# Altium PCB PCB.PcbDoc (part 1 of 2)
Units mil, origin at the board's own origin, x right, y up, seen from the top; angles counter-clockwise.
Board outline 4409.45 x 6259.84 mil, 2 copper layers (Top Layer, Bottom Layer), stack 65.792 mil thick; 158 components, 111 nets, 528 pads, 234 vias.
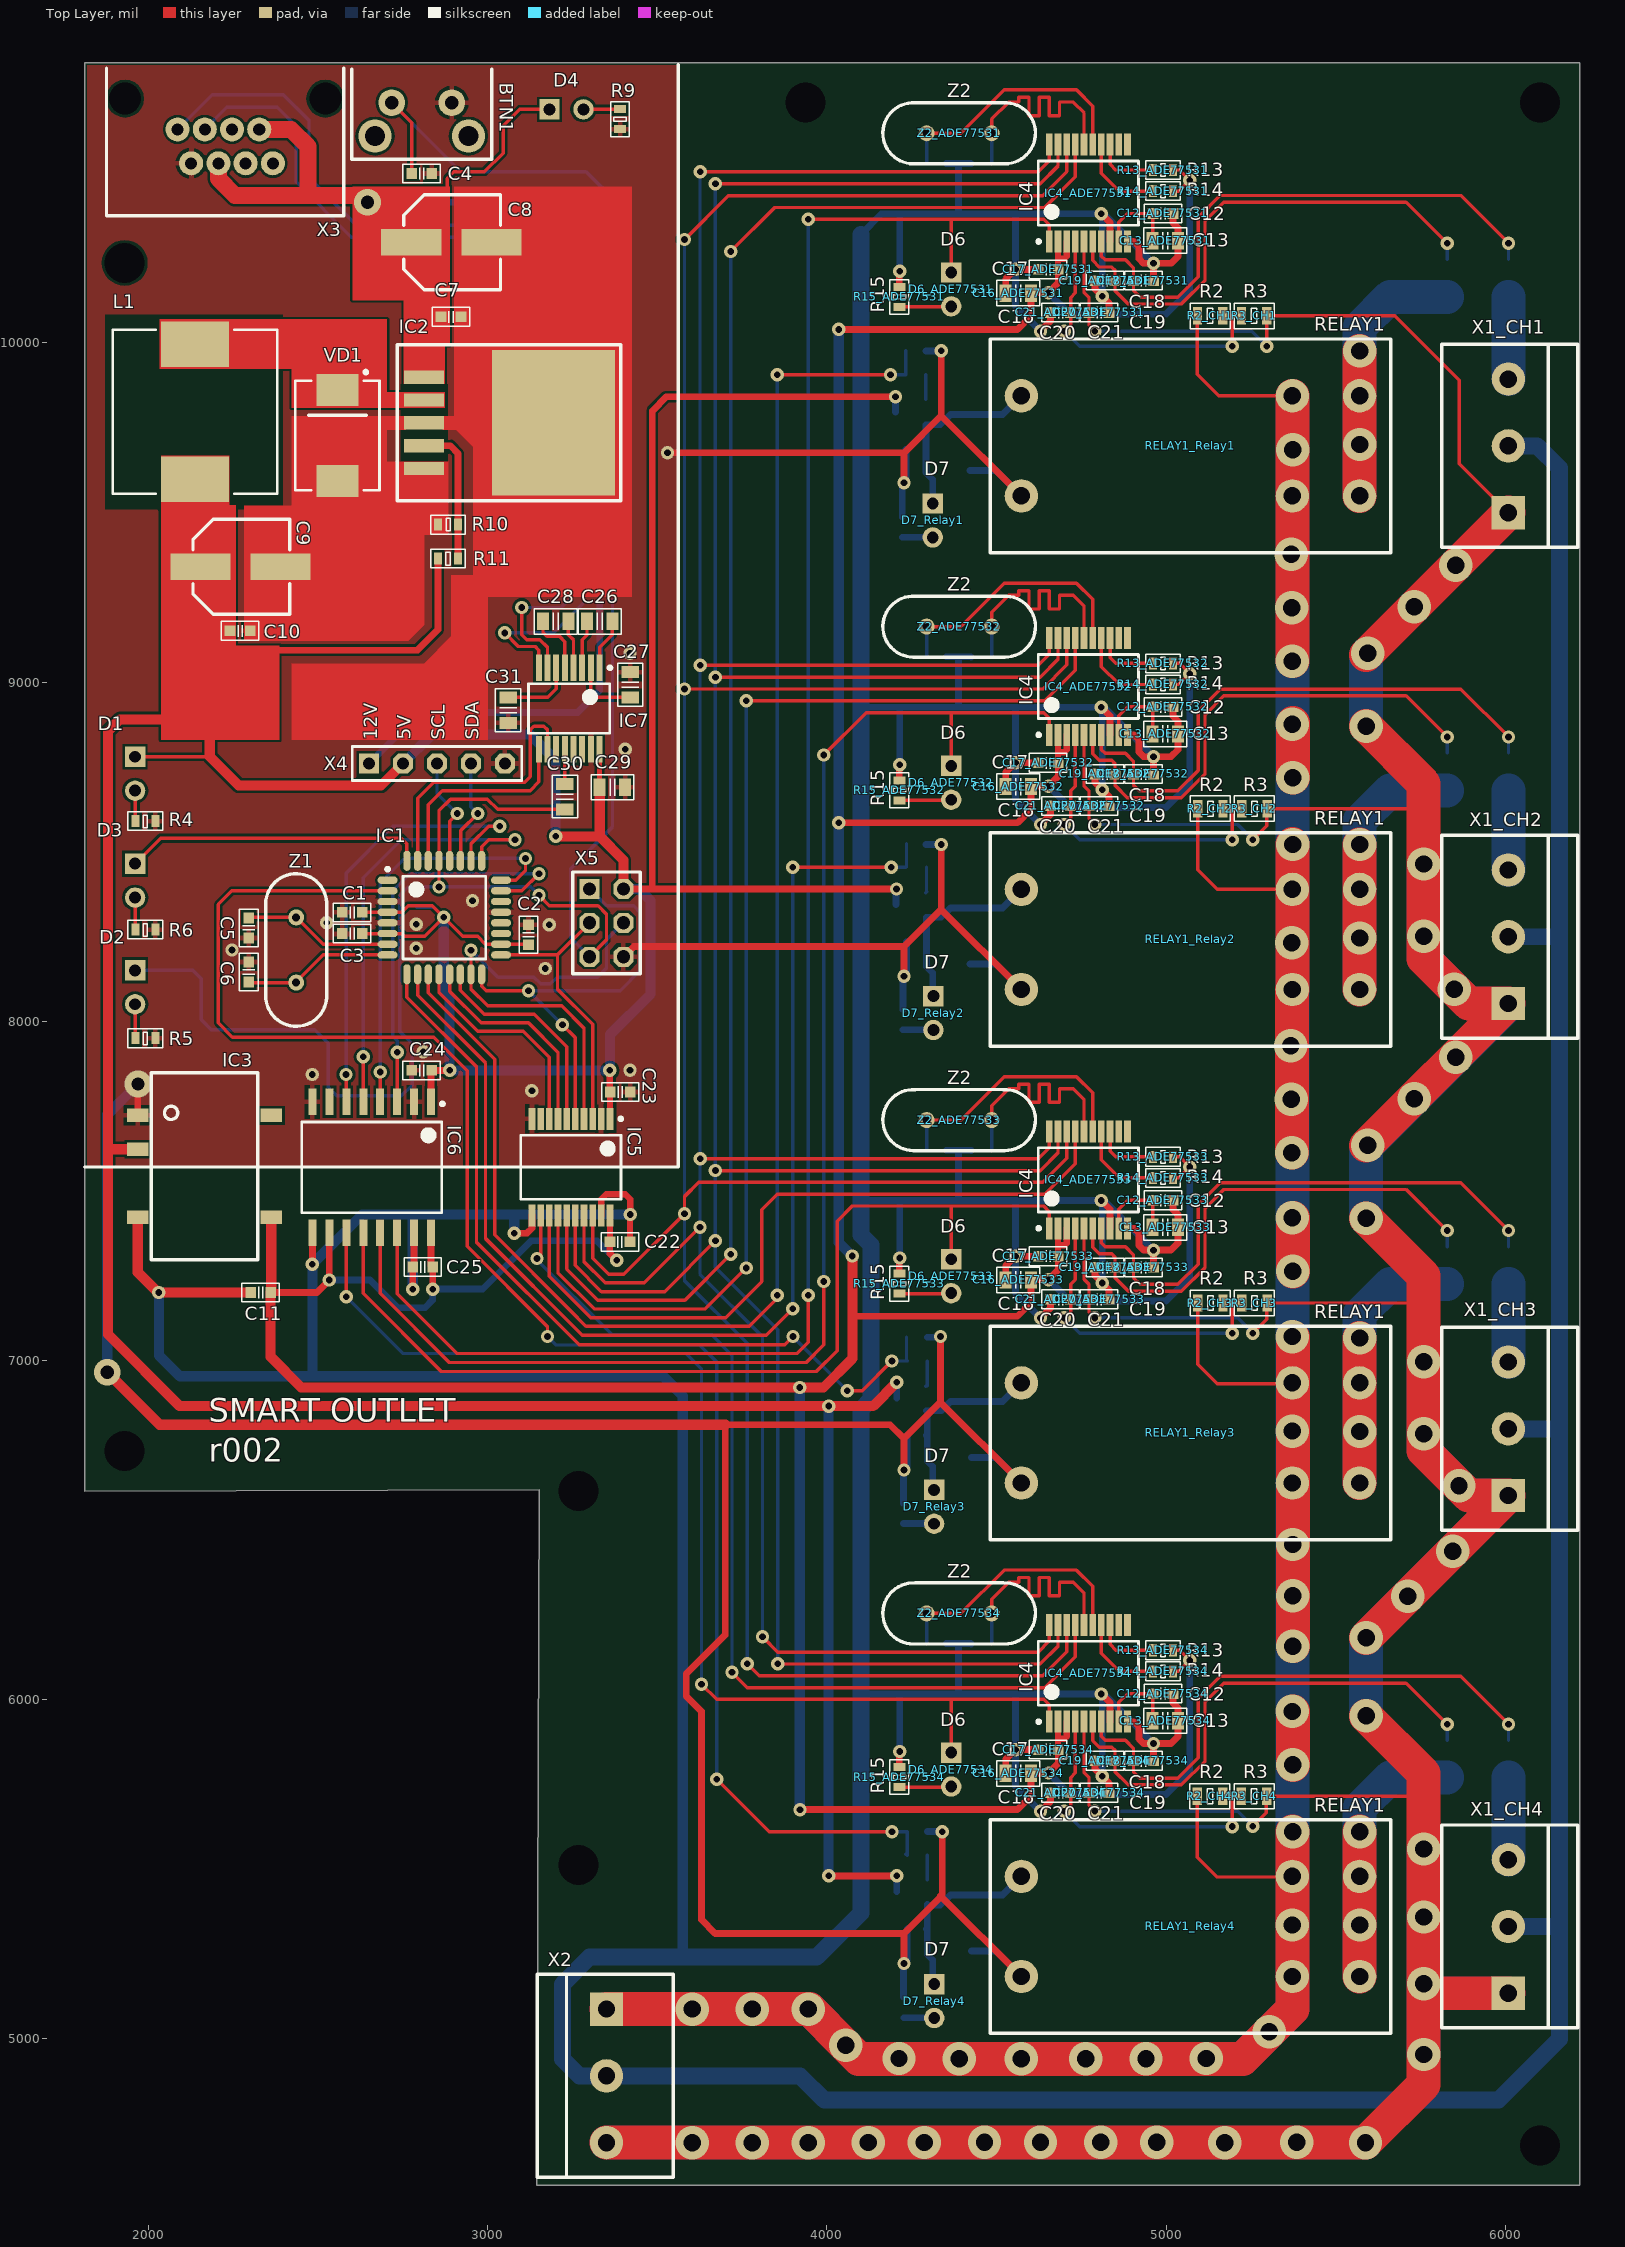
[diagram p0: Top Layer view]
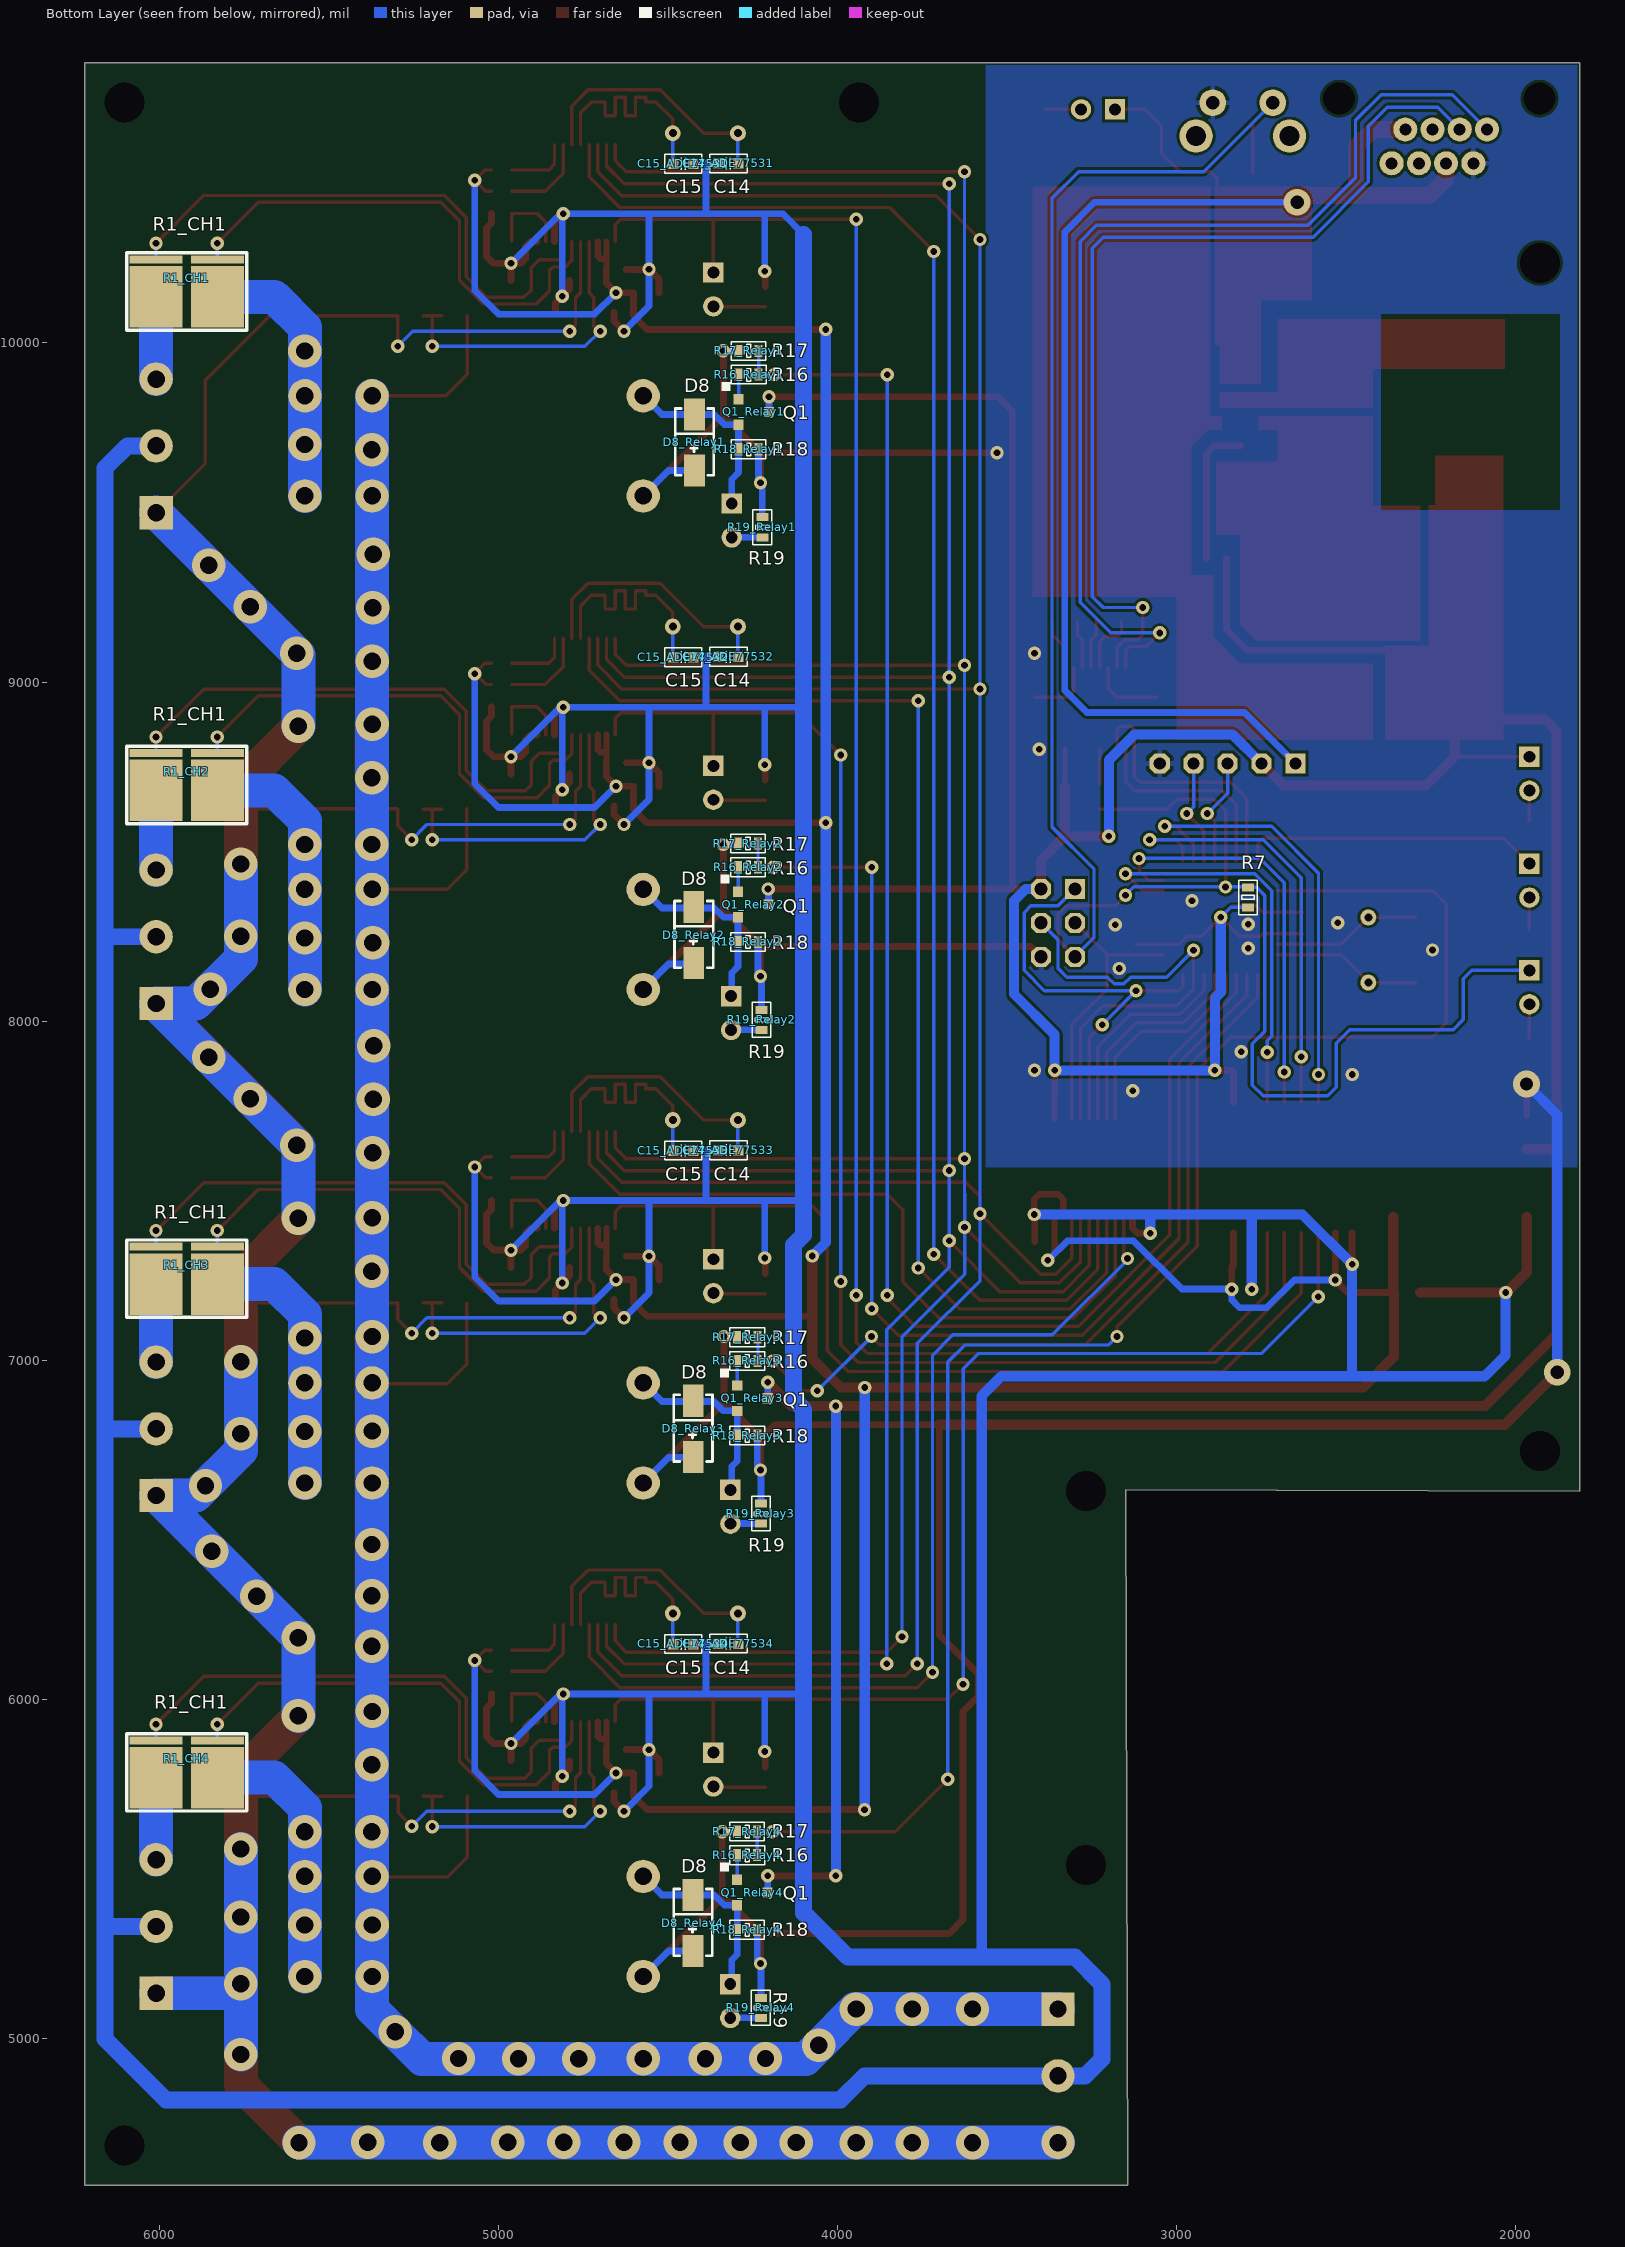
[diagram p1: Bottom Layer view, seen from below]

## Layer stack, top to bottom
Top Solder: solder mask 0.4, Solder Resist, Dk 3.5
Top Layer: signal copper 1.4
Dielectric 1: dielectric 62.9921, FR-4, Dk 4.8
Bottom Layer: signal copper 1.4
Bottom Solder: solder mask 0.4, Solder Resist, Dk 3.5

## Board outline
1811.02,6614.17 3151,6618 3145,4566.93 6220.47,4566.93 6220.47,10826.77 1811.02,10826.77

## Design rules (kind name [scope] priority, off if disabled: settings)
Clearance [All] p1: gap=5 ignorepadtopadclearanceinfootprint=FALSE except(7.87: Arc-Poly Track-Poly SMDPad-Poly THPad-Poly Via-Poly Fill-Poly Poly-Poly Poly-Region Poly-Text Poly-Hole)
HoleSize [All] p1: absolutevalues=TRUE maxlimit=300 minlimit=1 maxpercent=80.000 minpercent=20.000
MinimumSolderMaskSliver [All] p1: minsoldermaskwidth=0
PolygonConnect [All] p1: thpad.connectstyle=Relief thpad.reliefconductorwidth=15 thpad.reliefentries=4 thpad.polygonreliefangle="90 Angle" thpad.airgapwidth=10 smdpad.connectstyle=Relief smdpad.reliefconductorwidth=15 smdpad.reliefentries=4 smdpad.polygonreliefangle="90 Angle" smdpad.airgapwidth=10 via.connectstyle=Direct via.reliefconductorwidth=10 via.reliefentries=4 via.polygonreliefangle="90 Angle" via.airgapwidth=10
RoutingVias [All] p1: holewidth=19.68 width=39.37 viastyle="Through Hole" minholewidth=19.68 minwidth=39.37 maxholewidth=78.74 maxwidth=118.11
SilkToSilkClearance [All] p1: silktosilkclearance=0
SilkToSolderMaskClearance [IsPad] p1: minsilkscreentomaskgap=0 clearancetoexposedcopper=TRUE
SolderMaskExpansion [All] p1: expansion=4
Width [All] p1: maxlimit=100 minlimit=10 preferedwidth=10
26 further rules are at their usual default settings.

## Classes and differential pairs
channel class relay: Relay1 Relay2 Relay3 Relay4 Relay5 Relay6 Relay7 Relay8
channel class chanel: CH1 CH2 CH3 CH4
channel class ADE7753: ADE77531 ADE77532 ADE77533 ADE77534
net class RESET[4..1]: RESET1 RESET2 RESET3 RESET4
net class RES[4..1]: RES1 RES2 RES3 RES4
net class REL[4..1]: REL1 REL2 REL3 REL4
net class CS[4..1]: CS1 CS2 CS3 CS4
component class "RS232 Driver": C26 C27 C28 C29 C30 C31 IC7
component class Relay4: D7_Relay4 D8_Relay4 Q1_Relay4 R16_Relay4 R17_Relay4 R18_Relay4 R19_Relay4 RELAY1_Relay4
component class Relay3: D7_Relay3 D8_Relay3 Q1_Relay3 R16_Relay3 R17_Relay3 R18_Relay3 R19_Relay3 RELAY1_Relay3
component class Relay2: D7_Relay2 D8_Relay2 Q1_Relay2 R16_Relay2 R17_Relay2 R18_Relay2 R19_Relay2 RELAY1_Relay2
component class Relay1: D7_Relay1 D8_Relay1 Q1_Relay1 R16_Relay1 R17_Relay1 R18_Relay1 R19_Relay1 RELAY1_Relay1
component class PROC: BTN1 C1 C2 C3 C4 C5 C6 D1 D2 D3 IC1 R4 R5 R6 R7 X4 X5 Z1
component class powerSupply: C7 C8 C9 C10 C11 D4 IC2 IC3 L1 R9 R10 R11 VD1
component class main: X2 X3
component class ISO7740: C24 C25 IC6
component class CH4: R1_CH4 R2_CH4 R3_CH4 X1_CH4
component class CH3: R1_CH3 R2_CH3 R3_CH3 X1_CH3
component class CH2: R1_CH2 R2_CH2 R3_CH2 X1_CH2
component class CH1: R1_CH1 R2_CH1 R3_CH1 X1_CH1
component class ADUM3154: C22 C23 IC5
component class ADE77534: C12_ADE77534 C13_ADE77534 C14_ADE77534 C15_ADE77534 C16_ADE77534 C17_ADE77534 C18_ADE77534 C19_ADE77534 C20_ADE77534 C21_ADE77534 D6_ADE77534 IC4_ADE77534 R13_ADE77534 R14_ADE77534 R15_ADE77534 Z2_ADE77534
component class ADE77533: C12_ADE77533 C13_ADE77533 C14_ADE77533 C15_ADE77533 C16_ADE77533 C17_ADE77533 C18_ADE77533 C19_ADE77533 C20_ADE77533 C21_ADE77533 D6_ADE77533 IC4_ADE77533 R13_ADE77533 R14_ADE77533 R15_ADE77533 Z2_ADE77533
component class ADE77532: C12_ADE77532 C13_ADE77532 C14_ADE77532 C15_ADE77532 C16_ADE77532 C17_ADE77532 C18_ADE77532 C19_ADE77532 C20_ADE77532 C21_ADE77532 D6_ADE77532 IC4_ADE77532 R13_ADE77532 R14_ADE77532 R15_ADE77532 Z2_ADE77532
component class ADE77531: C12_ADE77531 C13_ADE77531 C14_ADE77531 C15_ADE77531 C16_ADE77531 C17_ADE77531 C18_ADE77531 C19_ADE77531 C20_ADE77531 C21_ADE77531 D6_ADE77531 IC4_ADE77531 R13_ADE77531 R14_ADE77531 R15_ADE77531 Z2_ADE77531

## Components (designator, comment, footprint, x,y, rotation, side; value= is the part's Value field where it differs from the comment)
BTN1 "Push Button" "PUSH BUTTON RIGHT ANGLE" 2805.12,10610.24 r180 top
C1 "100n" C_0603 2600.02,8320.94 r0 top
C2 "100n" C_0603 3120.02,8254.94 r270 top
C3 "100n" C_0603 2600,8258.45 r0 top
C4 "1u" C_0603 2805,10500 r180 top
C5 "22p" C_0603 2295,8275 r270 top
C6 "22p" C_0603 2295,8145 r90 top
C7 "100n" C_0603 2891.52,10077.22 r180 top
C8 "470u" R79 2892.43,10297.22 r90 top
C9 "470u" R79 2270.52,9340.22 r90 top
C10 "100n" C_0603 2269.52,9151.22 r180 top
C11 "100n" C_0603 2330,7200.22 r0 top
C12_ADE77531 "100n" C_0603 4991,10382 r0 top (schematic designator C12)
C12_ADE77532 "100n" C_0603 4991,8927 r0 top (schematic designator C12)
C12_ADE77533 "100n" C_0603 4991,7472 r0 top (schematic designator C12)
C12_ADE77534 "100n" C_0603 4991,6017 r0 top (schematic designator C12)
C13_ADE77531 "10u" C_0805 4998,10302 r0 top (schematic designator C13)
C13_ADE77532 "10u" C_0805 4998,8847 r0 top (schematic designator C13)
C13_ADE77533 "10u" C_0805 4998,7392 r0 top (schematic designator C13)
C13_ADE77534 "10u" C_0805 4998,5937 r0 top (schematic designator C13)
C14_ADE77531 "22p" C_0603 4322.08,10529.61 r180 bottom (schematic designator C14)
C14_ADE77532 "22p" C_0603 4322.08,9074.61 r180 bottom (schematic designator C14)
C14_ADE77533 "22p" C_0603 4322.08,7619.61 r180 bottom (schematic designator C14)
C14_ADE77534 "22p" C_0603 4322.08,6164.61 r180 bottom (schematic designator C14)
C15_ADE77531 "22p" C_0603 4455,10528.53 r0 bottom (schematic designator C15)
C15_ADE77532 "22p" C_0603 4455,9073.53 r0 bottom (schematic designator C15)
C15_ADE77533 "22p" C_0603 4455,7618.53 r0 bottom (schematic designator C15)
C15_ADE77534 "22p" C_0603 4455,6163.53 r0 bottom (schematic designator C15)
C16_ADE77531 "10u" C_0805 4564.47,10147 r0 top (schematic designator C16)
C16_ADE77532 "10u" C_0805 4564.47,8692 r0 top (schematic designator C16)
C16_ADE77533 "10u" C_0805 4564.47,7237 r0 top (schematic designator C16)
C16_ADE77534 "10u" C_0805 4564.47,5782 r0 top (schematic designator C16)
C17_ADE77531 "100n" C_0603 4652.47,10217 r0 top (schematic designator C17)
C17_ADE77532 "100n" C_0603 4652.47,8762 r0 top (schematic designator C17)
C17_ADE77533 "100n" C_0603 4652.47,7307 r0 top (schematic designator C17)
C17_ADE77534 "100n" C_0603 4652.47,5852 r0 top (schematic designator C17)
C18_ADE77531 "33n" C_0603 4933.47,10184 r180 top (schematic designator C18)
C18_ADE77532 "33n" C_0603 4933.47,8729 r180 top (schematic designator C18)
C18_ADE77533 "33n" C_0603 4933.47,7274 r180 top (schematic designator C18)
C18_ADE77534 "33n" C_0603 4933.47,5819 r180 top (schematic designator C18)
C19_ADE77531 "33n" C_0603 4820,10184 r0 top (schematic designator C19)
C19_ADE77532 "33n" C_0603 4820,8729 r0 top (schematic designator C19)
C19_ADE77533 "33n" C_0603 4820,7274 r0 top (schematic designator C19)
C19_ADE77534 "33n" C_0603 4820,5819 r0 top (schematic designator C19)
C20_ADE77531 "33n" C_0603 4802.47,10090 r180 top (schematic designator C20)
C20_ADE77532 "33n" C_0603 4802.47,8635 r180 top (schematic designator C20)
C20_ADE77533 "33n" C_0603 4802.47,7180 r180 top (schematic designator C20)
C20_ADE77534 "33n" C_0603 4802.47,5725 r180 top (schematic designator C20)
C21_ADE77531 "33n" C_0603 4689,10090 r0 top (schematic designator C21)
C21_ADE77532 "33n" C_0603 4689,8635 r0 top (schematic designator C21)
C21_ADE77533 "33n" C_0603 4689,7180 r0 top (schematic designator C21)
C21_ADE77534 "33n" C_0603 4689,5725 r0 top (schematic designator C21)
C22 "100n" C_0603 3389.69,7349.22 r180 top
C23 "100n" C_0603 3390.69,7791.22 r180 top
C24 "100n" C_0603 2805,7855 r0 top
C25 "100n" C_0603 2808,7275 r0 top
C26 "100n" C_0805 3330.05,9179.11 r0 top
C27 "0.47u" C_0805 3420.05,8992.22 r270 top
C28 "0.47u" C_0805 3200.05,9179.11 r0 top
C29 "100n" C_0805 3367.45,8690 r180 top
C30 "100n" C_0805 3227.25,8662.22 r270 top
C31 "0.47u" C_0805 3060,8917 r90 top
D1 "" LED_5mm 1960,8779.8 r270 top
D2 "" LED_5mm 1960,8150 r270 top
D3 "" LED_5mm 1960,8464.53 r270 top
D4 "" LED_5mm 3182.02,10688.98 r0 top
D6_ADE77531 "" LED_5mm 4366.47,10208 r270 top (schematic designator D6)
D6_ADE77532 "" LED_5mm 4366.47,8753 r270 top (schematic designator D6)
D6_ADE77533 "" LED_5mm 4366.47,7298 r270 top (schematic designator D6)
D6_ADE77534 "" LED_5mm 4366.47,5843 r270 top (schematic designator D6)
D7_Relay1 "" LED_5mm 4312.08,9526.64 r270 top (schematic designator D7)
D7_Relay2 "" LED_5mm 4314,8074 r270 top (schematic designator D7)
D7_Relay3 "" LED_5mm 4316.13,6618 r270 top (schematic designator D7)
D7_Relay4 "" LED_5mm 4316.53,5160.47 r270 top (schematic designator D7)
D8_Relay1 "D_DO-214AC" DO-214AC 4422.08,9706.64 r270 bottom (schematic designator D8)
D8_Relay2 "D_DO-214AC" DO-214AC 4424,8254 r270 bottom (schematic designator D8)
D8_Relay3 "D_DO-214AC" DO-214AC 4426.13,6798 r270 bottom (schematic designator D8)
D8_Relay4 "D_DO-214AC" DO-214AC 4426.53,5340.47 r270 bottom (schematic designator D8)
IC1 "ATmega328" TQFP-32 2871.69,8305.69 r0 top
IC2 "AX3161" TO263-5L 3002.43,9764.46 r270 top
IC3 "TES 1-0511" "TES 1-0511" 2164.52,7572.22 r0 top
IC4_ADE77531 "ADE7753" SOP-20 4771,10442 r90 top (schematic designator IC4)
IC4_ADE77532 "ADE7753" SOP-20 4771,8987 r90 top (schematic designator IC4)
IC4_ADE77533 "ADE7753" SOP-20 4771,7532 r90 top (schematic designator IC4)
IC4_ADE77534 "ADE7753" SOP-20 4771,6077 r90 top (schematic designator IC4)
IC5 "ADUM3154" SOP-20 3245.22,7569.22 r270 top
IC6 "ISO7740" SOIC-16 2657.69,7569.13 r270 top
IC7 "MAX3232" SSOP-16 3240.05,8922.22 r270 top
L1 "120uH" L-12.3x12.3 2136.52,9797.22 r270 top
Q1_Relay1 "IRLML2502" SOT23 4292.08,9834.14 r180 bottom (schematic designator Q1)
Q1_Relay2 "IRLML2502" SOT23 4294,8381.5 r180 bottom (schematic designator Q1)
Q1_Relay3 "IRLML2502" SOT23 4296.13,6925.5 r180 bottom (schematic designator Q1)
Q1_Relay4 "IRLML2502" SOT23 4296.53,5467.97 r180 bottom (schematic designator Q1)
R1_CH1 "SHUNT" WSHP2818 5919.45,10151.92 r0 bottom (schematic designator R1)
R1_CH2 "SHUNT" WSHP2818 5919.45,8696.28 r0 bottom (schematic designator R1)
R1_CH3 "SHUNT" WSHP2818 5919.45,7240.64 r0 bottom (schematic designator R1)
R1_CH4 "SHUNT" WSHP2818 5919.45,5785 r0 bottom (schematic designator R1)
R2_CH1 "1M" R_0805 5130,10080 r180 top (schematic designator R2)
R2_CH2 "1M" R_0805 5130.68,8626.91 r180 top (schematic designator R2)
R2_CH3 "1M" R_0805 5130.68,7168.91 r180 top (schematic designator R2)
R2_CH4 "1M" R_0805 5129.6,5714.46 r180 top (schematic designator R2)
R3_CH1 "810" R_0805 5260,10080 r180 top (schematic designator R3)
R3_CH2 "810" R_0805 5260.68,8626.91 r180 top (schematic designator R3)
R3_CH3 "810" R_0805 5260.68,7168.91 r180 top (schematic designator R3)
R3_CH4 "810" R_0805 5259.6,5714.46 r180 top (schematic designator R3)
R4 "2.2k" R_0603 1990,8590 r0 top
R5 "2.2k" R_0603 1990,7950 r0 top
R6 "2.2k" R_0603 1990,8270 r0 top
R7 "10k" R_0603 2790,8365 r90 bottom
R9 "6.8k" R_0603 3390,10660 r270 top
R10 "1.5k" R_0603 2882.99,9464.22 r180 top
R11 "4.7k" R_0603 2882.52,9364.22 r0 top
R13_ADE77531 "100k" R_0603 4991,10510 r0 top (schematic designator R13)
R13_ADE77532 "100k" R_0603 4991,9055 r0 top (schematic designator R13)
R13_ADE77533 "100k" R_0603 4991,7600 r0 top (schematic designator R13)
R13_ADE77534 "100k" R_0603 4991,6145 r0 top (schematic designator R13)
R14_ADE77531 "100k" R_0603 4991,10448 r0 top (schematic designator R14)
R14_ADE77532 "100k" R_0603 4991,8993 r0 top (schematic designator R14)
R14_ADE77533 "100k" R_0603 4991,7538 r0 top (schematic designator R14)
R14_ADE77534 "100k" R_0603 4991,6083 r0 top (schematic designator R14)
R15_ADE77531 "2.2k" R_0603 4213.47,10136 r90 top (schematic designator R15)
R15_ADE77532 "2.2k" R_0603 4213.47,8681 r90 top (schematic designator R15)
R15_ADE77533 "2.2k" R_0603 4213.47,7226 r90 top (schematic designator R15)
R15_ADE77534 "2.2k" R_0603 4213.47,5771 r90 top (schematic designator R15)
R16_Relay1 "100k" R_0603 4262.08,9906.64 r180 bottom (schematic designator R16)
R16_Relay2 "100k" R_0603 4264,8454 r180 bottom (schematic designator R16)
R16_Relay3 "100k" R_0603 4266.13,6998 r180 bottom (schematic designator R16)
R16_Relay4 "100k" R_0603 4266.53,5540.47 r180 bottom (schematic designator R16)
R17_Relay1 "100k" R_0603 4262.39,9976.64 r0 bottom (schematic designator R17)
R17_Relay2 "100k" R_0603 4264.31,8524 r0 bottom (schematic designator R17)
R17_Relay3 "100k" R_0603 4266.44,7068 r0 bottom (schematic designator R17)
R17_Relay4 "100k" R_0603 4266.84,5610.47 r0 bottom (schematic designator R17)
R18_Relay1 "100k" R_0603 4262.39,9686.64 r180 bottom (schematic designator R18)
R18_Relay2 "100k" R_0603 4264.31,8234 r180 bottom (schematic designator R18)
R18_Relay3 "100k" R_0603 4266.44,6778 r180 bottom (schematic designator R18)
R18_Relay4 "100k" R_0603 4266.84,5320.47 r180 bottom (schematic designator R18)
R19_Relay1 "2.2k" R_0603 4222.08,9456.64 r270 bottom (schematic designator R19)
R19_Relay2 "2.2k" R_0603 4224,8004 r270 bottom (schematic designator R19)
R19_Relay3 "2.2k" R_0603 4226.13,6548 r270 bottom (schematic designator R19)